# Altium PCB PCB1.PcbDoc (continued)
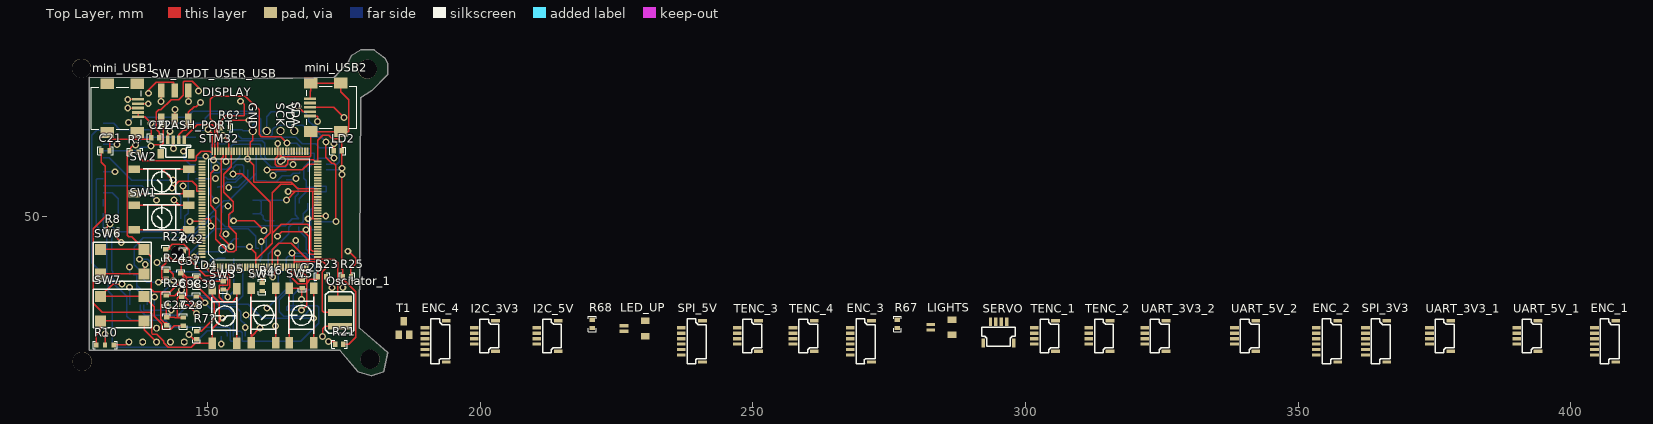
[diagram p0: Top Layer view]
## Nets (pads, with @x,y where several pads share a name; then routed paths per layer and width w, separated by ;. In a path a pad name is that pad's centre, name@x,y a point inside that pad or via, vN(x,y) a via of type N, cw(c..) or ccw(c..) an arc to the next point about the centre after c; other vN are vias at no path point) (continued)
NetBuzzer_1: Buzzer.1 R5.1 | length 17
  Bottom Layer w0.254: R5.1 165.1,38.151 165.405,37.846 165.405,37.033 163.093,34.722 163.093,32.512 163.906,31.699 167.691,31.699 168.504,32.766 Buzzer.1
NetC1_2: C1.2 L2.1 mini_USB1.1 | length 75.4
  Top Layer w0.254: v1(135.306,71.425) 135.331,71.45 mini_USB1.1
  Signal Layer 1 w0.254: v1(135.306,71.425) 134.391,70.51 134.391,69.469 135.329,68.531 165.301,68.531 v1(173.152,60.681)
  Bottom Layer w0.254: C1.2 154.304,62.916 154.634,63.246 159.512,63.246 159.715,63.043 159.715,60.96 161.671,59.004 164.186,59.004 164.687,59.506 164.687,60.979 165.278,61.57 169.52,61.57 169.52,59.969 ; L2.1 168.377,58.826 169.52,59.969 ; v1(173.152,60.681) 170.231,60.681 169.52,59.969
NetC2_2: C2.2 L2.2 U1.12 | length 48.3
  Bottom Layer w0.254: U1.12 137.586,40.044 136.5,41.131 136.5,44.348 138.176,46.025 146.126,46.025 152.908,52.807 153.848,52.807 158.901,57.86 ; C2.2 158.901,57.86 ; L2.2 166.877,57.861 165.633,57.861 165.202,57.429 163.627,57.429 162.636,56.439 158.901,56.643 158.901,57.86
NetC3_1: C3.1 LD1.1 U1.3 U1.10 U1.11 | length 57
  Bottom Layer w0.254: U1.10 U1.11 136.936,37.359 ; U1.3 138.886,34.696 136.936,36.646 136.936,37.359 ; C3.1 168.3,51.308 167.462,50.47 167.462,48.971 167.25,48.759 165.617,48.759 164.846,47.988 164.846,46.784 161.112,43.05 LD1.1 161.112,40.851 157.437,40.851 156.413,39.827 156.413,35.408 155.245,34.239 153.213,34.239 152.73,34.722 152.73,37.922 152.197,38.456 145.923,38.456 144.805,37.338 143.053,37.338 141.834,36.119 138.176,36.119 136.936,37.359
NetC4_1: C4.1 mini_USB1.2 R1.2 | length 48.6
  Top Layer w0.254: mini_USB1.2 139.052,70.65 v1(139.065,70.637)
  Signal Layer 2 w0.254: v1(139.065,70.637) 138.049,69.621 138.049,44.12 v1(140.665,41.504)
  Bottom Layer w0.254: v1(140.665,41.504) 142.367,39.802 150.292,39.802 150.724,40.234 150.724,41.83 150.393,41.83 C4.1 151.689,42.139 151.867,42.316 R1.2
NetC5_1: C5.1 mini_USB1.3 R2.2 | length 64.3
  Top Layer w0.254: v1(135.306,69.85) mini_USB1.3 ; v1(171.655,63.602) 171.655,60.831 172.72,59.766 173.05,59.766 173.482,59.334 v1(173.482,49.022)
  Signal Layer 1 w0.254: v1(135.306,69.85) 135.788,69.367 141.199,69.367 142.342,70.51 144.856,70.51 146.429,68.938 166.319,68.938 v1(171.655,63.602)
  Bottom Layer w0.254: R2.2 170.793,64.464 v1(171.655,63.602) ; C5.1 v1(173.482,49.022)
NetC21_1: C21.1 R21.1 SW3.1 SW3.2 | length 91.7
  Top Layer w0.254: C21.1 130.454,59.893 131.216,59.131 131.216,49.886 129.007,47.676 129.007,34.011 130.632,32.385 139.395,32.385 139.675,32.106 139.675,28.55 139.827,28.397 140.614,28.397 141.91,27.102 141.91,26.822 142.723,26.01 146.99,26.01 147.701,26.721 SW3.1@150.821,26.721 ; SW3.1 SW3.1@150.821,26.721 ; SW3.2 150.821,35.402 152.095,34.128 152.095,30.662 ; v1(152.726,31.293) 152.095,30.662 ; v1(172.136,27) 173.355,27 R21.1 ; SW3.1@150.821,26.721 150.821,29.388 152.095,30.662
  Signal Layer 2 w0.254: v1(152.726,31.293) 157.019,27 v1(172.136,27)
NetC22_1: C22.1 R23.1 SW4.1 SW4.2 | length 104.6
  Top Layer w0.254: C22.1 141.097,65.405 140.538,65.964 140.538,69.088 140.945,69.494 141.351,69.494 143.256,71.399 144.678,71.399 145.491,72.212 145.491,74.549 145.694,74.752 147.117,74.752 148.311,73.558 v1(148.311,72.974) ; SW4.1 157.933,27.91 ; SW4.2 157.933,27.91 ; v1(159.537,29.515) 157.933,27.91 ; R23.1 171.679,37.948 v1(172.745,36.881)
  Signal Layer 1 w0.254: v1(159.537,29.515) 166.903,36.881 v1(172.745,36.881)
  Signal Layer 2 w0.254: v1(148.311,72.974) 165.151,72.974 169.037,69.088 169.037,64.541 170.485,63.094 170.485,47.549 172.745,45.288 v1(172.745,36.881)
NetC23_1: C23.1 R25.1 SW5.1 SW5.2 | length 36.9
  Top Layer w0.254: SW5.1 SW5.2 166.091,36.83 166.116,36.805 C23.1@167.208,36.805 ; v1(167.208,34.773) C23.1@167.208,36.805 ; C23.1 C23.1@167.208,36.805 ; v1(175.666,43.586) 175.844,43.586 177.165,42.266 177.165,41.275 176.251,40.361 R25.1
  Signal Layer 1 w0.254: v1(167.208,34.773) 174.752,34.773 175.666,35.687 v1(175.666,43.586)
NetC27_1: C27.1 C37.1 ESP32.3 R?.1 SW6.2 | length 63.4
  Top Layer w0.254: SW6.2@130.302,43.912 SW6.2@138.302,43.912 ; R?.1 R?.1@135.839,61.903 ; v1(136.728,63.068) 136.322,63.068 135.839,62.586 R?.1@135.839,61.903 ; C27.1 142.418,30.455 141.961,30.455 141.326,31.09 141.326,35.738 141.732,36.144 ; C37.1 144.569,38.024 144.569,37.589 143.124,36.144 141.732,36.144 ; R?.1@135.839,61.903 135.179,61.903 135.179,46.533 135.509,46.203 136.011,46.203 SW6.2@138.302,43.912 ; SW6.2@138.302,43.912 139.598,42.616 139.598,36.576 140.03,36.144 141.732,36.144
  Bottom Layer w0.254: v1(136.728,63.068) 138.176,64.516 ESP32.3
NetC28_1: C28.1 ESP32.25 SW7.2 | length 39.2
  Top Layer w0.254: v1(134.214,37.567) 132.563,37.567 130.302,35.306 138.302,35.306 140.183,33.425 140.183,31.623 141.503,30.302 141.503,29.286 143.205,29.286 143.84,29.921 C28.1
  Bottom Layer w0.254: ESP32.25 130.835,50.546 130.835,47.904 132.41,46.33 132.41,40.011 132.55,39.871 132.55,38.505 133.489,37.567 v1(134.214,37.567)
NetC51_1: C51.1 ESP32.33 R32.2 STM32.138 SW2.1 SW2.2 | length 72
  Top Layer w0.254: SW2.1 141.626,58.602 ; v1(143.586,56.642) 141.626,58.602 ; SW2.2 141.626,58.602 ; v1(147.498,45.545) STM32.138
  Signal Layer 2 w0.254: v1(143.586,56.642) 142.519,55.575 142.519,54.813 143.053,54.28 143.866,54.28 144.958,53.188 144.958,48.085 v1(147.498,45.545)
  Bottom Layer w0.254: ESP32.33 131.928,60.706 135.992,56.642 v1(143.586,56.642) ; v1(147.498,45.545) 147.498,46.61 150.875,49.987 151.271,49.987 153.176,48.082 159.385,48.082 159.588,48.285 164.222,48.285 165.516,49.579 C51.1 166.014,50.24 166.014,53.569 166.572,54.126 R32.2
NetC61_1: C61.1 ESP32.36 R31.1 STM32.25 SW1.1 SW1.2 | length 63.7
  Top Layer w0.254: SW1.1 144.776,51.998 ; v1(143.764,53.01) 144.776,51.998 ; SW1.2 144.776,51.998 ; v1(154.737,49.174) 158.496,49.174 v1(160.299,47.371) ; STM32.25 v1(162.805,43.222)
  Signal Layer 1 w0.254: v1(160.299,47.371) 162.805,44.865 v1(162.805,43.222)
  Signal Layer 2 w0.254: v1(143.764,53.01) 143.51,53.01 142.113,54.407 142.113,59.181 144.628,61.696 144.628,62.382 145.085,62.84 146.66,62.84 148.585,60.914 148.585,59.986 150.19,58.382 150.19,56.667 151.181,55.677 152.908,55.677 153.441,56.21 154.203,56.21 154.737,55.677 v1(154.737,49.174)
  Bottom Layer w0.254: R31.1 154.051,49.86 v1(154.737,49.174) ; v1(160.299,47.371) 160.706,46.965 C61.1
NetC98_1: C98.1 STM32.71 | length 56
  Top Layer w0.254: C98.1 146.329,33.757 v1(147.93,32.156) ; v1(160.833,58.496) 167.353,58.496 168.402,59.545 STM32.71
  Signal Layer 2 w0.254: v1(147.93,32.156) 148.387,32.614 154.838,32.614 156.555,30.897 161.123,30.897 161.773,31.547 161.773,35.992 160.985,36.779 160.985,42.875 161.62,43.51 161.62,50.165 160.833,50.952 v1(160.833,58.496)
NetC99_2: C99.2 STM32.106 | length 35.2
  Top Layer w0.254: STM32.106 151.805,64.857 151.689,64.973 151.689,66.65 150.47,67.869 150.47,71.45 151.028,72.009 156.87,72.009 159.385,69.494 159.385,65.024 159.791,64.618 163.347,64.618 v1(164.541,63.424)
  Bottom Layer w0.254: v1(164.541,63.424) 166.294,63.424 167.334,62.384 C99.2
NetDISPLAY_3: DISPLAY.3
NetDISPLAY_4: DISPLAY.4
NetENC_1_3: ENC_1.3
NetENC_1_4: ENC_1.4
NetENC_1_5: ENC_1.5
NetENC_1_6: ENC_1.6
NetENC_2_3: ENC_2.3
NetENC_2_4: ENC_2.4
NetENC_2_5: ENC_2.5
NetENC_2_6: ENC_2.6
NetENC_3_3: ENC_3.3
NetENC_3_4: ENC_3.4
NetENC_3_5: ENC_3.5
NetENC_3_6: ENC_3.6
NetENC_4_3: ENC_4.3
NetENC_4_4: ENC_4.4
NetENC_4_5: ENC_4.5
NetENC_4_6: ENC_4.6
NetESP32_6: ESP32.6 R6?.1 | length 33.2
  Top Layer w0.254: R6?.1 153.873,67.056 154.432,67.615 v1(157.556,67.615)
  Signal Layer 1 w0.254: v1(149.606,61.011) 146.152,64.465 142.646,64.465 142.113,64.999 142.113,66.472 143.256,67.615 v1(157.556,67.615)
  Bottom Layer w0.254: ESP32.6 149.301,60.706 v1(149.606,61.011)
NetESP32_7: ESP32.7 R7?.1 | length 42.4
  Top Layer w0.254: v1(146.509,28.319) 147.396,27.432 R7?.1
  Signal Layer 2 w0.254: v1(145.542,61.925) 149.656,57.811 149.656,43.047 146.509,39.9 v1(146.509,28.319)
  Bottom Layer w0.254: v1(145.542,61.925) 145.542,60.706 146.812,59.436 ESP32.7
NetESP32_8: ESP32.8 R8.1 | length 27.6
  Top Layer w0.254: R8.1 131.572,48.108 v1(132.029,48.565)
  Bottom Layer w0.254: v1(132.029,48.565) 133.401,47.193 144.678,47.193 145.771,48.285 145.771,49.962 146.355,50.546 146.355,57.709 146.812,58.166 ESP32.8
NetESP32_9: ESP32.9 R9.1 | length 12.4
  Signal Layer 1 w0.254: v1(151.409,56.896) 152.222,56.896 v1(153.822,55.296)
  Bottom Layer w0.254: ESP32.9 v1(151.409,56.896) ; v1(153.822,55.296) 155.594,55.296 157.352,57.053 R9.1
NetESP32_24: ESP32.24 | length 6.9
  Bottom Layer w0.254: 130.819,54.356 132.486,54.356 133.604,53.238 ESP32.24
NetESP32_26: ESP32.26 | length 1.3
  Bottom Layer w0.254: ESP32.26 130.819,53.086
NetESP32_27: ESP32.27
NetESP32_28: ESP32.28
NetESP32_29: ESP32.29 uSD_slot.2 | length 49.7
  Signal Layer 2 w0.254: v1(140.565,52.932) 142.853,50.644 142.853,41.881 146.103,38.631 146.103,35.573 144.755,34.225 144.755,26.416 145.161,26.01 151.896,26.01 v1(152.455,26.568)
  Bottom Layer w0.254: ESP32.29 137.871,55.626 v1(140.565,52.932) ; v1(152.455,26.568) uSD_slot.2
NetESP32_30: ESP32.30 uSD_slot.5 | length 53.3
  Bottom Layer w0.254: ESP32.30 129.718,56.896 129.515,56.693 129.515,48.235 131.42,46.33 131.42,39.472 132.131,38.76 132.131,38.303 135.128,35.306 135.128,31.699 135.941,30.886 142.189,30.886 143.459,29.616 153.873,29.616 154.127,29.362 154.127,27.229 154.33,27.026 155.552,27.026 155.755,27.229 uSD_slot.5
NetESP32_31: ESP32.31 uSD_slot.7 | length 51.8
  Signal Layer 1 w0.254: v1(132.944,58.166) 132.944,40.335 134.112,39.167 144.272,39.167 146.025,37.414 147.599,37.414 151.943,33.071 155.804,33.071 v1(156.972,31.902)
  Bottom Layer w0.254: ESP32.31 v1(132.944,58.166) ; v1(156.972,31.902) 157.955,30.919 uSD_slot.7
NetESP32_34: ESP32.34 SW_DPDT_USER_USB.6 | length 16.2
  Top Layer w0.254: v1(139.598,62.865) 139.852,63.119 141.503,63.119 141.783,63.398 141.783,66.319 141.431,66.319 SW_DPDT_USER_USB.6
  Bottom Layer w0.254: ESP32.34 137.135,61.976 137.82,62.662 139.598,62.662 v1(139.598,62.865)
NetESP32_35: ESP32.35 SW_DPDT_USER_USB.3 | length 24.3
  Top Layer w0.254: v1(141.431,71.044) SW_DPDT_USER_USB.3
  Signal Layer 1 w0.254: v1(133.325,63.17) 133.325,72.339 134.798,73.812 139.802,73.812 141.431,72.183 v1(141.431,71.044)
  Bottom Layer w0.254: ESP32.35 133.248,63.246 v1(133.325,63.17)
NetESP32_37: ESP32.37 uSD_slot.3 | length 65.6
  Bottom Layer w0.254: ESP32.37 129.642,65.786 128.702,64.846 128.702,41.453 131.713,38.442 131.713,36.246 132.486,35.472 132.486,26.822 133.299,26.01 146.914,26.01 149.885,28.981 153.225,28.981 153.555,28.651 uSD_slot.3
NetFLASH_PORT_2: FLASH_PORT.2 SW_DPDT_USER_USB.5 U1.1 | length 54.3
  Top Layer w0.254: SW_DPDT_USER_USB.5 143.931,69.56 v1(143.942,69.571)
  Signal Layer 2 w0.254: v1(140.186,35.154) 140.005,35.335 140.005,38.811 141.58,40.386 141.58,41.961 138.659,44.882 138.659,67.97 139.979,69.291 139.979,71.12 139.497,71.603 138.582,71.603 138.176,72.009 138.176,73.33 138.989,74.143 140.894,74.143 143.942,71.095 v1(143.942,69.571)
  Bottom Layer w0.254: U1.1 v1(140.186,35.154)
NetFLASH_PORT_3: FLASH_PORT.3 SW_DPDT_USER_USB.2 U1.4 | length 55.8
  Top Layer w0.254: v1(139.09,72.568) 139.09,73.152 140.538,74.6 143.702,74.6 SW_DPDT_USER_USB.2
  Signal Layer 2 w0.254: v1(139.09,72.568) 139.471,72.568 140.513,71.526 140.513,54.432 139.649,53.569 139.649,45.39 142.392,42.647 142.392,36.906 143.281,36.017 v1(143.281,32.791)
  Bottom Layer w0.254: U1.4 138.236,32.791 v1(143.281,32.791)
NetI2C_3V3_3: I2C_3V3.3
NetI2C_3V3_4: I2C_3V3.4
NetI2C_5V_3: I2C_5V.3
NetI2C_5V_4: I2C_5V.4
NetIDC*_1: IDC*.1
NetIDC*_3: IDC*.3
NetIDC*_8: IDC*.8
NetIDC*_10: IDC*.10
NetIMU_1: IMU.1
NetIMU_2: IMU.2
NetIMU_5: IMU.5 R10.1 | length 3
  Top Layer w0.254: R10.1 134.976,26.391 IMU.5
NetIMU_6: IMU.6 R10.2 | length 11.9
  Top Layer w0.254: R10.2 v1(131.14,28.372)
  Signal Layer 1 w0.254: v1(131.14,28.372) 132.232,29.464 IMU.6
NetLD1_2: LD1.2 R4.1 | length 31.4
  Top Layer w0.254: v1(154.635,57.76) 156.235,57.76 161.414,52.581 161.414,46.961 v1(159.791,45.339)
  Bottom Layer w0.254: R4.1 151.841,55.397 152.629,55.397 153.441,56.21 155.042,56.21 156.54,57.709 156.54,59.182 156.261,59.461 155.169,59.461 154.635,58.928 v1(154.635,57.76) ; LD1.2 159.612,42.24 159.893,42.521 159.893,44.831 159.791,44.933 v1(159.791,45.339)
NetLD2_2: LD2.2 R11.1 | length 20.7
  Top Layer w0.254: LD2.2 173.074,63.219 v1(173.152,63.297)
  Bottom Layer w0.254: R11.1 155.524,64.897 156.21,64.211 162.23,64.211 162.509,64.491 166.141,64.491 167.335,63.297 169.748,63.297 170.459,62.586 172.441,62.586 v1(173.152,63.297)
NetLD3_1: LD3.1 R6?.2 | length 28.2
  Top Layer w0.254: R6?.2 152.373,67.462 153.313,68.402 156.642,68.402 156.642,70.51 156.388,70.764 156.261,70.764 155.956,71.069 v1(155.956,71.095)
  Signal Layer 2 w0.254: v1(155.956,71.095) 160.35,66.7 161.595,66.7 162.052,66.243 162.052,64.999 162.56,64.491 164.998,64.491 165.608,63.881 v1(165.608,59.461)
  Bottom Layer w0.254: v1(165.608,59.461) 165.913,59.766 LD3.1
NetLD4_1: LD4.1 R7?.2 | length 11.5
  Top Layer w0.254: LD4.1 151.131,34.086 151.131,31.321 148.742,28.932 R7?.2
NetLD5_1: LD5.1 R8.2 | length 29.7
  Top Layer w0.254: R8.2 133.072,46.227 v1(134.112,45.187) ; v1(149.809,40.869) 149.809,40.335 150.52,39.624 153.619,39.624 154.051,39.192 154.051,36.982 153.619,36.551 LD5.1
  Signal Layer 1 w0.254: v1(134.112,45.187) 146.05,45.187 147.65,43.586 148.742,43.586 149.809,42.52 v1(149.809,40.869)
NetLD6_1: LD6.1 R9.2 | length 4.3
  Bottom Layer w0.254: LD6.1 153.28,57.15 153.608,56.821 155.015,56.821 155.852,57.658 R9.2
NetLED_UP_1: LED_UP.1 R68.2
NetLIGHTS_1: LIGHTS.1 R67.2
Netmini_USB2_1: mini_USB2.1 R46.2 | length 51.7
  Top Layer w0.254: R46.2 159.944,38.887 v1(160.045,38.989) ; mini_USB2.1 170.129,68.377 v1(170.129,67.412)
  Signal Layer 1 w0.254: v1(160.045,38.989) 161.646,40.589 168.91,40.589 175.87,47.549 175.87,69.291 175.26,69.901 172.618,69.901 v1(170.129,67.412)
Netmini_USB2_2: mini_USB2.2 R47.2 | length 27.8
  Top Layer w0.254: v1(166.497,70.131) 167.451,69.177 mini_USB2.2
  Signal Layer 2 w0.254: v1(161.925,57.48) 161.925,60.96 162.357,61.392 164.262,61.392 164.694,60.96 164.694,58.852 164.998,58.547 166.218,58.547 166.903,59.233 166.903,69.724 v1(166.497,70.131)
  Bottom Layer w0.254: v1(161.925,57.48) 162.663,58.218 R47.2
Netmini_USB2_3: mini_USB2.3 R48.2 | length 43.2
  Top Layer w0.254: mini_USB2.3 173.101,69.977 v1(174.955,68.123)
  Signal Layer 1 w0.254: v1(153.288,46.761) 153.873,46.761 163.093,55.982 170.155,55.982 174.955,60.782 v1(174.955,68.123)
  Bottom Layer w0.254: R48.2 v1(153.288,46.761)
Netmini_USB2_4: mini_USB2.4
NetOscilator_1_1: Oscilator_1.1 STM32.24 | length 24.5
  Top Layer w0.254: v1(161.9,38.837) 162.305,39.242 STM32.24 ; v1(171.044,27.915) 171.044,29.388 171.501,29.845 Oscilator_1.1
  Signal Layer 2 w0.254: v1(161.9,38.837) 166.827,38.837 171.044,34.62 v1(171.044,27.915)
NetOscilator_1_3: Oscilator_1.3 STM32.23 | length 24.2
  Top Layer w0.254: STM32.23 161.805,43.822 163.015,45.032 165.305,45.032 168.25,42.088 173.152,42.088 173.787,41.453 173.787,34.845 Oscilator_1.3
NetR1_1: R1.1 U1.9 | length 29.3
  Signal Layer 1 w0.254: v1(135.636,40.665) 136.728,39.573 144.678,39.573 146.431,37.821 150.978,37.821 v1(153.645,35.154)
  Bottom Layer w0.254: U1.9 v1(135.636,40.665) ; v1(153.645,35.154) 154.711,36.22 R1.1
NetR2_1: R2.1 U1.8 | length 73.6
  Signal Layer 2 w0.254: v1(135.407,67.208) 135.407,43.967 134.722,43.282 134.722,40.03 135.636,39.116 v1(135.636,36.982)
  Bottom Layer w0.254: v1(135.407,67.208) 136.322,68.123 146.101,68.123 147.244,69.266 158.231,69.266 159.741,67.756 159.741,65.024 160.147,64.618 161.417,64.618 161.823,65.024 161.823,65.837 162.687,66.7 167.361,66.7 168.097,65.964 R2.1 ; U1.8 v1(135.636,36.982)
NetR3_1: R3.1 R4.2 U1.15 | length 66.3
  Signal Layer 1 w0.254: v1(137.439,42.113) 138.557,43.231 141.774,43.231 145.898,39.107 150.461,39.107 151.511,40.157 v1(151.511,52.857)
  Signal Layer 2 w0.254: v1(151.511,52.857) 151.511,42.494 v1(160.858,33.147)
  Bottom Layer w0.254: v1(137.439,42.113) 138.938,42.113 139.536,41.515 U1.15 ; R4.2 150.341,54.027 v1(151.511,52.857) ; v1(160.858,33.147) 164.44,36.728 R3.1
NetR5_2: R5.2 T1.2
NetR6_1: R6.1
NetR6_2: R6.2 R7.2 T1.1 | length 3.6
  Bottom Layer w0.254: R6.2 R7.2
NetR22_2: R22.2 SW3.3 SW3.4 | length 34.8
  Top Layer w0.254: R22.2 143.027,43.969 143.027,44.425 143.459,44.856 145.593,44.856 146.558,43.891 146.558,42.113 149.555,39.116 153.264,39.116 153.645,38.735 153.645,37.363 152.07,37.363 152.07,35.154 152.984,34.239 154.432,34.239 155.321,35.128 ; SW3.3 155.321,35.128 ; SW3.4 155.321,35.128
NetR24_2: R24.2 SW4.3 SW4.4 | length 51.7
  Top Layer w0.254: R24.2 142.975,40.032 143.662,39.345 v1(143.662,38.252) ; SW4.3 v1(162.433,29.896) 162.433,31.826 SW4.4
  Signal Layer 1 w0.254: v1(143.662,38.252) 144.196,37.719 144.196,31.242 141.503,28.55 140.589,28.55 139.675,27.635 139.675,26.416 140.081,26.01 146.456,26.01 147.955,27.508 160.045,27.508 v1(162.433,29.896)
NetR26_2: R26.2 SW5.3 SW5.4 | length 39.6
  Top Layer w0.254: R26.2 143.916,35.46 144.956,36.5 v1(145.186,36.5) ; SW5.3 v1(169.418,31.293) SW5.4
  Bottom Layer w0.254: v1(145.186,36.5) 146.228,35.458 150.851,35.458 152.476,33.833 157.404,33.833 159.944,31.293 v1(169.418,31.293)
NetR42_2: R42.2 SW1.3 SW1.4 | length 10
  Top Layer w0.254: SW1.3 SW1.4
NetR46_1: R46.1
NetR47_1: R47.1 STM32.103 | length 19.3
  Top Layer w0.254: STM32.103 153.305,60.106 v1(153.34,60.071)
  Signal Layer 1 w0.254: v1(153.34,60.071) 155.219,61.951 159.055,61.951 164.109,56.896 v1(166.141,56.896)
  Bottom Layer w0.254: R47.1 165.964,56.718 v1(166.141,56.896)
NetR48_1: R48.1 R49.2 STM32.104 | length 23.4
  Top Layer w0.254: STM32.104 152.805,60.96 152.425,60.58 152.425,47.32 152.197,46.533 v1(154.28,44.45)
  Bottom Layer w0.254: R48.1 153.216,44.247 154.28,45.31 ; v1(154.28,44.45) 154.28,45.31 ; R49.2 154.868,45.899 154.28,45.31
NetR52_2: R52.2 SW2.3 SW2.4 | length 45.6
  Top Layer w0.254: SW2.3 145.44,54.102 ; v1(145.44,55.524) 145.44,54.102 ; SW2.4 145.44,54.102
  Signal Layer 1 w0.254: v1(145.44,55.524) 150.647,55.524 152.425,53.746 152.425,50.089 151.917,49.581 151.917,46.33 152.806,45.441 156.647,45.441 159.898,48.692 162.992,48.692 v1(166.116,45.568)
  Bottom Layer w0.254: v1(166.116,45.568) 166.572,45.112 R52.2
NetR67_1: R67.1
NetR68_1: R68.1
NetSERVO_1: SERVO.1
NetSERVO_2: SERVO.2
NetSERVO_3: SERVO.3
NetSERVO_4: SERVO.4
NetSPI_3V3_3: SPI_3V3.3
NetSPI_3V3_4: SPI_3V3.4
NetSPI_3V3_5: SPI_3V3.5
NetSPI_3V3_6: SPI_3V3.6
NetSPI_5V_3: SPI_5V.3
NetSPI_5V_4: SPI_5V.4
NetSPI_5V_5: SPI_5V.5
NetSPI_5V_6: SPI_5V.6
NetSTM32_101: STM32.101 SW_DPDT_USER_USB.4
NetSTM32_102: STM32.102 SW_DPDT_USER_USB.1
NetTENC_1_3: TENC_1.3
NetTENC_1_4: TENC_1.4
NetTENC_2_3: TENC_2.3
NetTENC_2_4: TENC_2.4
NetTENC_3_3: TENC_3.3
NetTENC_3_4: TENC_3.4
NetTENC_4_3: TENC_4.3
NetTENC_4_4: TENC_4.4
NetUART_3V3_1_2: UART_3V3_1.2
NetUART_3V3_1_3: UART_3V3_1.3
NetUART_3V3_2_2: UART_3V3_2.2
NetUART_3V3_2_3: UART_3V3_2.3
NetUART_5V_1_2: UART_5V_1.2
NetUART_5V_1_3: UART_5V_1.3
NetUART_5V_2_2: UART_5V_2.2
NetUART_5V_2_3: UART_5V_2.3
NetUART_RC_RECEIVER_3: UART_RC_RECEIVER.3
NetUART_RC_RECEIVER_4: UART_RC_RECEIVER.4
NetuSD_slot_1: uSD_slot.1
NetuSD_slot_8: uSD_slot.8
VCC_3V3: Buzzer.2 C38.2 C39.2 C51.2 ENC_1.1 ENC_2.1 ENC_3.1 ENC_4.1 ESP32.2 I2C_3V3.1 IDC*.5 LD2.1 R21.2 R23.2 R25.2 R31.2 R49.1 R52.1 R?.2 SPI_3V3.1 STM32.17 STM32.30 STM32.33 STM32.39 STM32.52 STM32.62 STM32.72 STM32.84 STM32.95 STM32.108 STM32.131 STM32.144 UART_3V3_1.1 UART_3V3_2.1 UART_RC_RECEIVER.2 uSD_slot.4 | length 301.8
  Top Layer w0.254: R?.2 137.339,60.882 138.074,60.147 147.65,60.147 147.853,60.35 147.853,61.011 148.768,61.925 150.368,61.925 150.52,61.773 150.805,61.773 STM32.108 150.805,65.1 v1(149.992,65.913) ; v1(146.685,49.047) 146.687,49.045 STM32.131 ; v1(147.493,42.545) STM32.144 ; C39.2 148.523,35.282 149.454,34.351 v1(149.454,34.138) ; v1(157.302,60.477) v1@157.305,60.48 ; STM32.95 v1@157.305,60.48 ; v1(157.607,44.399) 158.805,43.201 158.805,42.062 ; STM32.17 158.805,42.062 ; v1(162.814,63.348) 162.805,63.339 STM32.84 162.805,60.976 162.382,60.554 162.382,59.538 162.763,59.157 164.186,59.157 164.668,59.639 164.668,60.147 164.897,60.376 169.341,60.376 169.672,60.045 STM32.72 170.18,63.983 171.094,64.897 172.187,64.897 172.847,64.237 173.939,64.237 174.574,63.602 LD2.1 v1(174.574,58.801) v1(174.574,57.633) 174.574,40.385 174.751,40.208 R25.2 R25.2@174.751,38.529 ; STM32.30 165.305,38.835 166.522,37.617 168.123,37.617 ; STM32.33 166.805,39.824 167.03,39.599 167.538,39.599 168.123,39.014 168.123,37.617 ; v1(167.207,32.766) 168.123,33.681 168.123,37.617 ; STM32.39 169.256,43.545 168.91,43.891 168.91,47.955 168.326,48.539 163.45,48.539 161.822,46.912 ; STM32.52 171.621,50.045 v1(171.628,50.038) ; STM32.62 166.468,55.045 165.633,55.88 ; v1(170.282,40.439) 170.179,40.336 R23.2 170.179,38.456 168.656,38.456 168.123,37.617 ; v1(174.751,36.932) R25.2@174.751,38.529 ; R21.2 175.819,26.518 177.13,27.829 177.13,36.15 R25.2@174.751,38.529 ; v1@157.305,60.48 158.422,59.357 158.422,56.233 165.28,56.233 165.633,55.88 ; 158.805,42.062 161.82,45.078 161.82,46.91 161.822,46.912 ; 161.822,46.912 161.822,54.329 163.373,55.88 165.633,55.88
  Signal Layer 1 w0.254: v1(149.992,65.913) 152.425,63.48 152.425,59.538 152.806,59.157 155.981,59.157 v1(157.302,60.477) ; v1(170.282,40.439) 171.243,40.439 v1(174.751,36.932)
  Signal Layer 2 w0.254: v1(146.685,49.047) 148.412,47.32 148.412,43.464 v1(147.493,42.545) ; v1(153.721,51.891) 153.721,48.285 v1(157.607,44.399) ; v1(157.302,60.477) 160.172,63.348 v1(162.814,63.348) ; v1(171.628,50.038) 171.628,54.686 v1(174.574,57.633)
  Bottom Layer w0.254: v1(147.493,42.545) 148.433,43.485 154.788,43.485 155.194,43.891 155.194,44.399 R49.1 v1(157.607,44.399) ; ESP32.2 v1@150.119,65.786 ; v1(149.454,34.138) 150.571,33.02 153.817,33.02 154.655,32.182 154.655,28.651 ; v1(149.992,65.913) v1@150.119,65.786 ; C38.2 151.108,64.797 v1@150.119,65.786 ; R31.2 152.551,51.485 152.957,51.891 v1(153.721,51.891) ; uSD_slot.4 154.655,28.651 ; C51.2 166.675,47.448 168.072,46.051 R52.1 168.072,43.942 169.596,42.418 169.596,37.389 168.707,36.5 168.123,36.5 ; 168.123,37.617 168.123,36.5 ; UART_RC_RECEIVER.2 174.306,58.533 v1(174.574,58.801) ; 154.655,28.651 154.934,28.931 156.058,28.931 156.337,28.651 156.337,27.026 166.992,27.026 170.332,30.366 170.332,33.348 170.078,33.602 168.043,33.602 ; 165.125,32.766 v1(167.207,32.766) 168.043,33.602 ; 165.125,32.766 Buzzer.2 164.465,33.325 164.742,33.602 165.684,33.602 ; 165.125,32.766 165.684,33.325 165.684,33.602 ; 165.684,33.602 168.043,33.602 ; 165.684,33.602 165.684,35.56 166.624,36.5 168.123,36.5 ; 168.043,33.602 168.123,33.681 168.123,36.5
VCC_5V: DISPLAY.2 FLASH_PORT.1 I2C_5V.1 IDC*.7 IMU.4 SPI_5V.1 TENC_1.1 TENC_2.1 TENC_3.1 TENC_4.1 UART_5V_1.1 UART_5V_2.1 UART_RC_RECEIVER.1 | length 116
  Top Layer w0.254: FLASH_PORT.1 142.651,65.206 v1(143.027,65.583)
  Signal Layer 1 w0.254: v1(143.027,65.583) 144.272,66.827 155.923,66.827 156.05,66.7 159.741,66.7 DISPLAY.2
  Signal Layer 2 w0.254: IMU.4 133.172,31.801 133.172,49.047 134.264,50.14 134.264,73.609 135.28,74.625 143.866,74.625 144.856,73.635 144.856,67.412 v1(143.027,65.583)
  Bottom Layer w0.254: DISPLAY.2 160.782,68.275 161.646,69.139 167.665,69.139 168.529,68.275 168.529,67.462 169.342,66.65 169.621,66.65 170.129,66.142 170.129,65.43 170.663,64.897 173.787,64.897 174.066,64.618 174.066,59.969 173.63,59.533 UART_RC_RECEIVER.1
pads on no net: Buzzer. ENC_1.7 ENC_1.8 ENC_2.7 ENC_2.8 ENC_3.7 ENC_3.8 ENC_4.7 ENC_4.8 ESP32. ESP32.4 ESP32.5 ESP32.10 ESP32.11 ESP32.12 ESP32.13 ESP32.14 ESP32.16 ESP32.17 ESP32.18 ESP32.19 ESP32.20 ESP32.21 ESP32.22 ESP32.23 ESP32.32 FLASH_PORT.7 FLASH_PORT.8 I2C_3V3.2 I2C_3V3.7 I2C_3V3.8 I2C_5V.2 I2C_5V.7 I2C_5V.8 IMU.7 LED_UP.0 LIGHTS.0 mini_USB1.Shell SERVO.7 SERVO.8 SPI_3V3.7 SPI_3V3.8 SPI_5V.7 SPI_5V.8 STM32.1 STM32.2 STM32.3 STM32.4 STM32.5 STM32.6 STM32.7 STM32.8 STM32.9 STM32.10 STM32.11 STM32.12 STM32.13 STM32.14 STM32.15 STM32.18 STM32.19 STM32.20 STM32.21 STM32.22 STM32.26 STM32.27 STM32.28 STM32.29 STM32.32 STM32.34 STM32.35 STM32.36 STM32.37 STM32.40 STM32.41 STM32.42 STM32.43 STM32.44 STM32.45 STM32.46 STM32.47 STM32.48 STM32.49 STM32.50 STM32.53 STM32.54 STM32.55 STM32.56 STM32.57 STM32.58 STM32.59 STM32.60 STM32.63 STM32.64 STM32.65 STM32.66 STM32.67 STM32.68 STM32.69 STM32.70 STM32.73 STM32.74 STM32.75 STM32.76 STM32.77 STM32.78 STM32.79 STM32.80 STM32.81 STM32.82 STM32.85 STM32.86 STM32.87 STM32.88 STM32.89 STM32.90 STM32.91 STM32.92 STM32.93 STM32.96 STM32.97 STM32.98 STM32.99 STM32.100 STM32.105 STM32.109 STM32.110 STM32.111 STM32.112 STM32.113 STM32.114 STM32.115 STM32.116 STM32.117 STM32.118 STM32.119 STM32.121 STM32.122 STM32.123 STM32.124 STM32.125 STM32.126 STM32.127 STM32.128 STM32.129 STM32.132 STM32.133 STM32.134 STM32.135 STM32.136 STM32.137 STM32.139 STM32.140 STM32.141 STM32.142 STM32.143 TENC_1.7 TENC_1.8 TENC_2.7 TENC_2.8 TENC_3.7 TENC_3.8 TENC_4.7 TENC_4.8 U1.2 U1.6 U1.7 U1.14 U1.16 UART_3V3_1.7 UART_3V3_1.8 UART_3V3_2.7 UART_3V3_2.8 UART_5V_1.7 UART_5V_1.8 UART_5V_2.7 UART_5V_2.8 UART_RC_RECEIVER.7 UART_RC_RECEIVER.8 uSD_slot.
copper on no net: | length 90.6
  Top Layer w0.254: 143.651,64.018 143.651,62.47 v1(143.662,62.459) ; 144.651,64.018 144.651,64.946 145.491,65.786 145.974,65.786 146.431,66.243 146.431,67.564 146.431,69.088 147.472,70.129 147.904,70.129 v1(148.615,70.841) ; v1(146.431,71.052) 146.431,73.064 ; v1(151.511,58.903) 150.495,57.887 150.495,51.994 151.486,51.003 151.486,45.771 153.772,43.485 154.788,43.485 155.194,43.891 155.194,46.761 153.822,48.133 153.822,50.241 154.635,51.054 154.635,52.654 152.908,54.381 152.908,57.709 154.305,59.106 154.305,61.92 ; v1(152.806,64.795) 153.805,63.797 153.805,61.92
  Signal Layer 2 w0.254: v1(143.662,62.459) 145.999,64.795 v1@152.688,64.795 ; v1(146.431,71.052) v1@152.688,64.795 ; v1(148.615,70.841) 154.254,65.202 154.254,59.334 153.822,58.903 v1(151.511,58.903) ; v1(152.806,64.795) v1@152.688,64.795

## Text inside footprints (layer, text, board x,y; h text height)
DISPLAY: Top Overlay "SDA" at 165.342,70.959 h1.52 r270; Top Overlay "SCK" at 162.542,70.859 h1.52 r270; Top Overlay "VDD" at 164.338,70.739 h1.52 r270; Top Overlay "GND" at 157.542,70.859 h1.52 r270
ESP32: Bottom Overlay "Antena" at 148.319,68.246 h1.52
IMU: Bottom Overlay "SA0" at 139.776,30.556 h0.76 r270; Bottom Overlay "VDD" at 134.696,28.016 h0.76 r270; Bottom Overlay "VIN" at 137.236,28.016 h0.76 r270; Bottom Overlay "GND" at 138.506,28.016 h0.76 r270; Bottom Overlay "SDA" at 142.316,28.016 h0.76 r270; Bottom Overlay "SCL" at 144.856,28.016 h0.76 r270; Bottom Overlay "Pololu  / MinIMU-9  / v5 9DOF" at 146.939,32.004 h1.02
uSD_slot: Bottom Overlay "uSD" at 157.205,31.507 h1.52